# Altium PCB WX0.010.983PCB-4.2(1).PcbDoc (part 1 of 2) (continued)
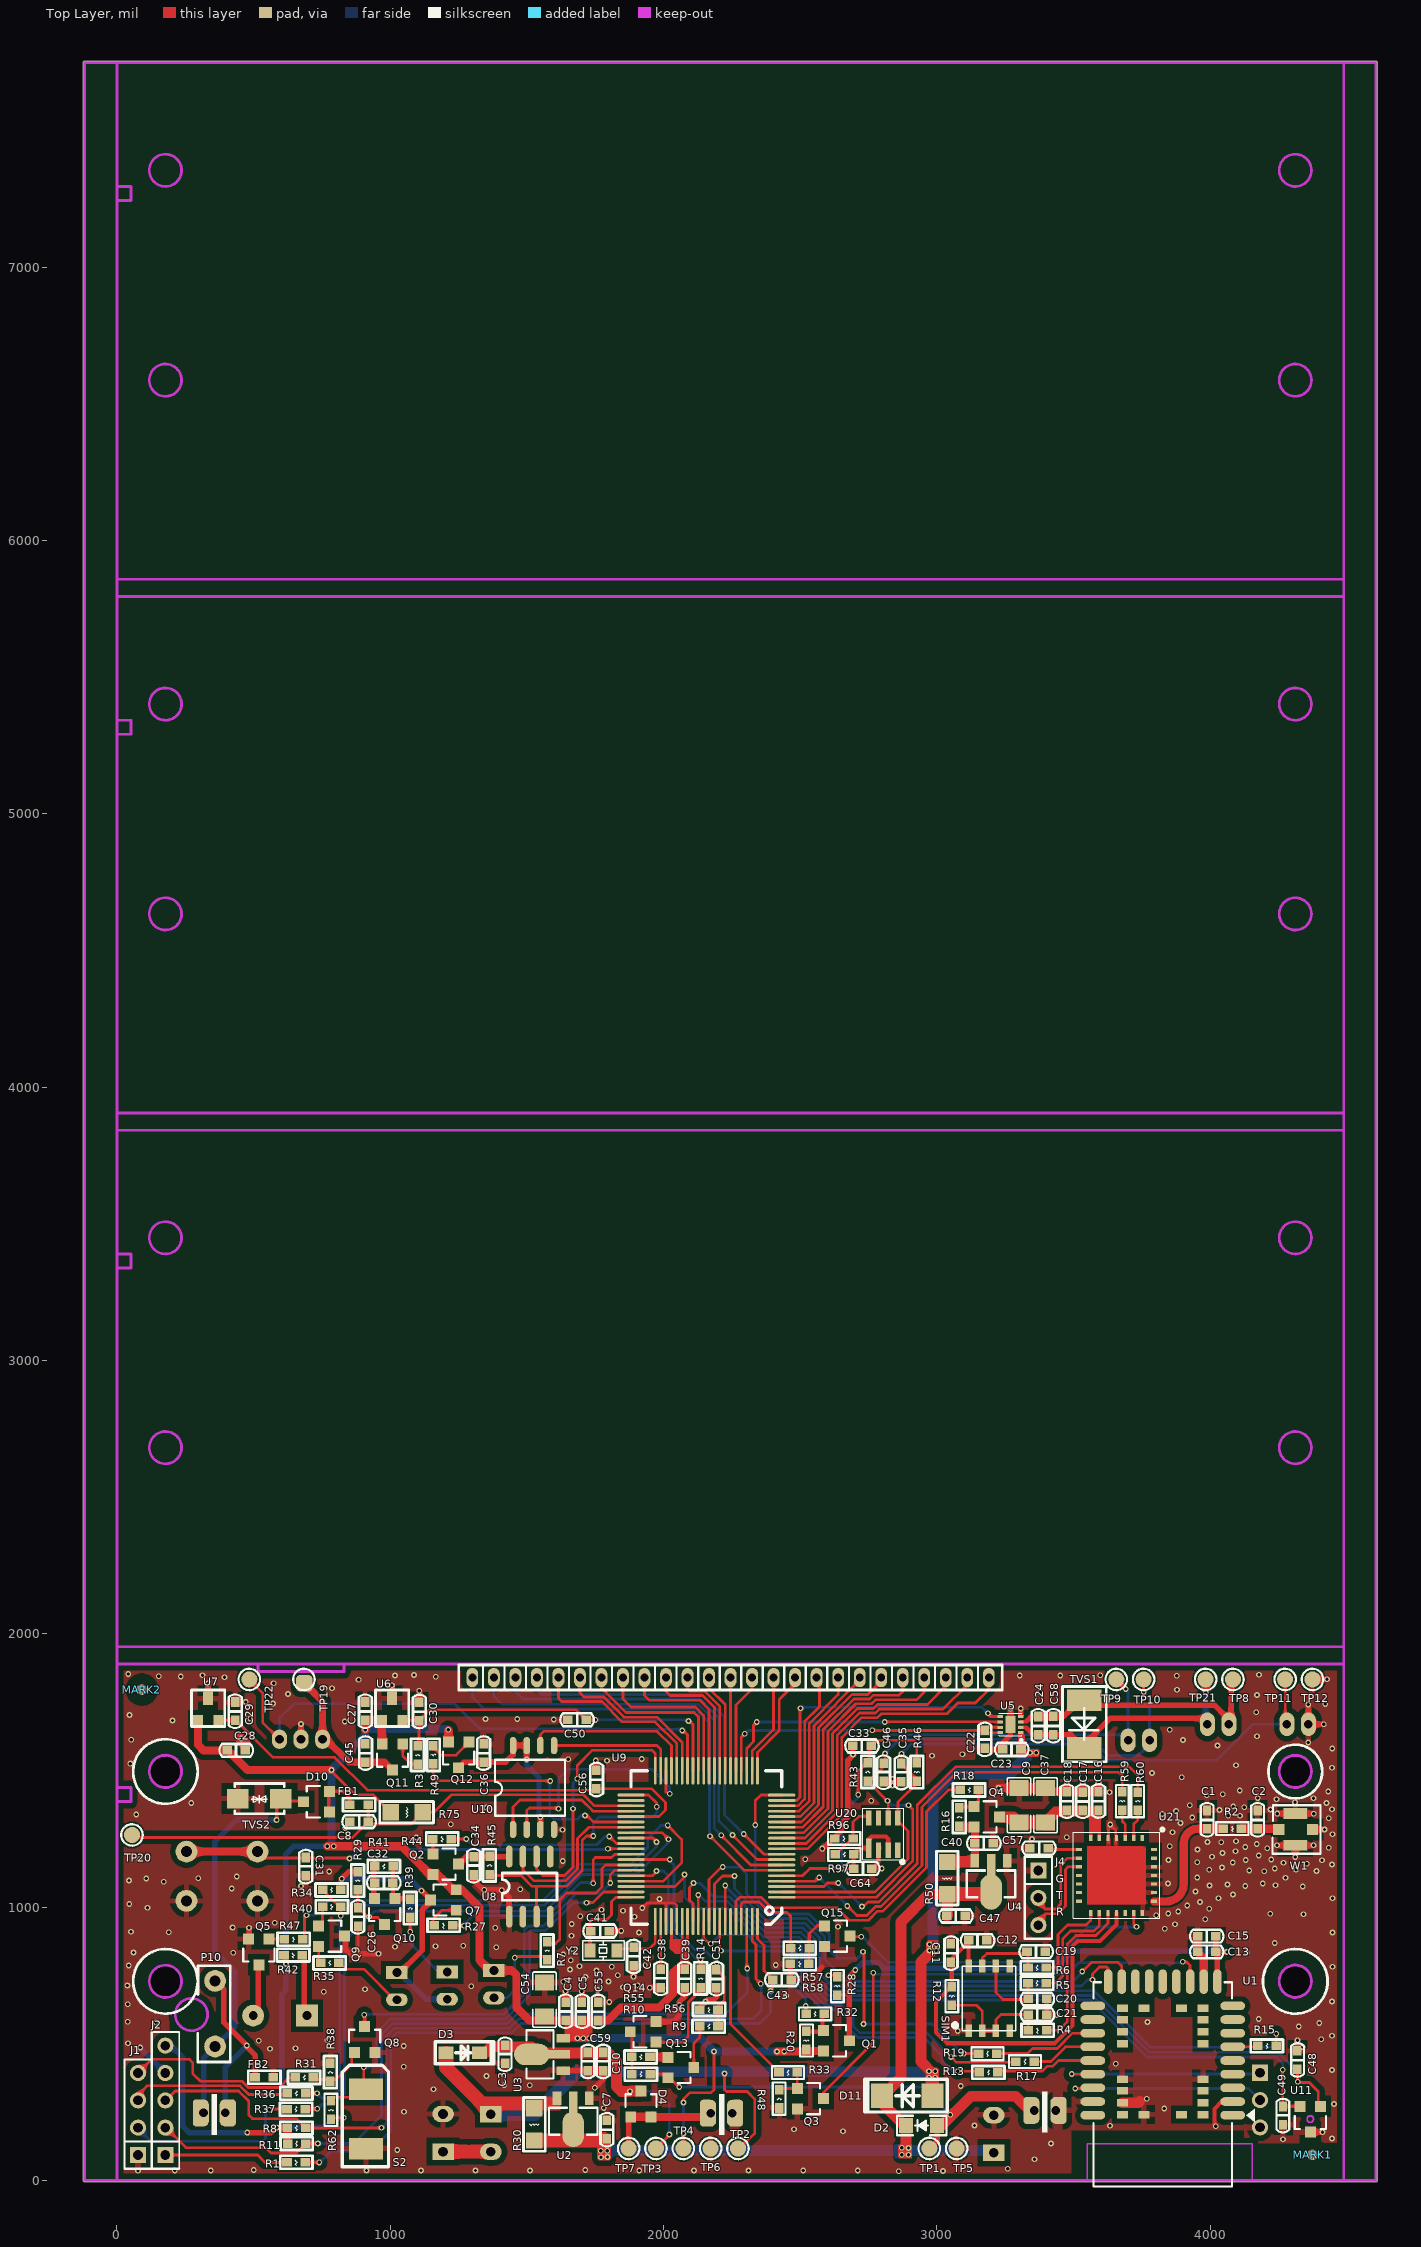
[diagram p0: Top Layer view]
## Components (designator, comment, footprint, x,y, rotation, side; value= is the part's Value field where it differs from the comment) (continued)
U20 "HP303B" LGA_8 2731,1175 r90 top
U21 "SNS521S" SNS521S 3657,1116 r270 top locked
W1 "天线" ANT-IPEX_1 4250,1284 r0 top
Y2 "32.768kD" SMD-3215_2P 1829,841 r180 top

## Footprints (in the part's own frame and the unit in brackets; to place one, negate y for a bottom-side part, rotate by r counter-clockwise, add the part's x,y. Pads: shape width x height; smd on the part's side, far side on the other; paste and mask are expansions set on the pad)
ANT-IPEX_1 [mm]
  rect 1.05x1 smd: 1(0,0)
  rect 2.2x1 smd: 2(1.55,-1.475) 2(1.55,1.475)
  rect 1x1 smd: 2(3.151,0)
  silkscreen extent -0.56,-2.26 3.9,2.26
"Bar Code1" [mil]
  silkscreen extent 0,0 965,256
CAP0603#1 [mil]
  rect 35x31 smd: 1(-0.49,0) 2(66.51,0)
  silkscreen extent -29,-24 94,23, body extent 1,-15 72,15, height 20
CAP0603#2 [mil]
  rect 35x31 smd: 1(-33.5,0) 2(33.5,0)
  silkscreen extent -61,-24 61,23, body extent -32,-15 39,15, height 20
CAPPC_350_800_1600R [mm]
  rect 1.524x2 hole 0.9: 1(-2.5,-1.905)
  oval 1.524x2 hole 0.9: 2(-6,-1.905)
  silkscreen extent -8.5,-1.02 0,16, body extent -8.22,-1.56 -0.22,15.94, height 7.99
CAPPC_500_800_2000R [mm]
  rect 1.524x2 hole 0.9: 1(-1.75,0)
  oval 1.524x2 hole 0.9: 2(1.75,0)
  silkscreen extent -4,-21.78 4,-0.76, body extent -3.97,-21.82 4.03,0.35, height 8
DO-214AA [mil]
  rect 80x125 smd: 1(5,0) 2(180,0)
  silkscreen extent -45,-80 230,80, body extent -13,-77 203,77, height 96
DO-214AC [mil]
  rect 80x90.55 smd: 1(-92.5,0) 2(92.5,0)
  silkscreen extent -146,-60 156,60, body extent -91,-53 90,53, height 94
GRM31CR60J107ME39L [mm]
  rect 1.485x1.728 smd: 1(0,0) 2(3.185,0)
  silkscreen extent -0.97,-1.09 4.16,1.09
HYT-0903 [mil]
  rect 80x80 hole 32: 1(0,0)
  round 80 hole 32: 2(196.85,0)
  silkscreen extent -79,-177 275,177, body extent -78,-176 276,176, height 217
IND0603 [mil]
  rect 35x31 smd: 1(0,0) 2(67,0)
  silkscreen extent -26,-24 92,23, body extent 0,-15 71,15, height 12
IR_254_532_300 [mm]
  rect 2x1.2 hole 0.813: 1(0,0)
  oval 2x1.2 hole 0.813: 2(0,-2.54)
  silkscreen extent -2.16,-2.54 2.16,0.91, body extent -1.65,-2.91 1.64,0.39, height 5.51
L-NLEEB21-G5BP4 [mm]
  oval 2.3x0.8 smd mask+0.051: 1(-12.95,12.36) 2(-12.95,11.09) 3(-12.95,9.82) 4(-12.95,8.55) 5(-12.95,7.28) 6(-12.95,6.01) 7(-12.95,4.74) 8(-12.95,3.47) 9(-12.95,2.2) 19(0.05,2.2) 20(0.05,3.47) 21(0.05,4.74) 22(0.05,6.01) 23(0.05,7.28) 24(0.05,8.55) 25(0.05,9.82) 26(0.05,11.09) 27(0.05,12.36)
  oval 1.5x0.8 on Mech1 mask+0.051: 1(-12.55,12.36) 2(-12.55,11.09) 3(-12.55,9.82) 4(-12.55,8.55) 5(-12.55,7.28) 6(-12.55,6.01) 7(-12.55,4.74) 8(-12.55,3.47) 9(-12.55,2.2) 19(-0.35,2.2) 20(-0.35,3.47) 21(-0.35,4.74) 22(-0.35,6.01) 23(-0.35,7.28) 24(-0.35,8.55) 25(-0.35,9.82) 26(-0.35,11.09) 27(-0.35,12.36)
  rect 0.4x0.4 on Mech1 paste-2 mask+0.102: 1(-2.73,13.4) 2(-0.9,13.4)
  oval 0.8x1.5 on Mech1 mask+0.051: 10(-11.53,0.35) 11(-10.26,0.35) 12(-8.99,0.35) 13(-7.72,0.35) 14(-6.45,0.35) 15(-5.18,0.35) 16(-3.91,0.35) 17(-2.64,0.35) 18(-1.37,0.35)
  oval 0.8x2.3 smd mask+0.051: 10(-11.53,-0.05) 11(-10.26,-0.05) 12(-8.99,-0.05) 13(-7.72,-0.05) 14(-6.45,-0.05) 15(-5.18,-0.05) 16(-3.91,-0.05) 17(-2.64,-0.05) 18(-1.37,-0.05)
  rect 1x0.7 smd: 28(-2.7,5.7) 29(-2.7,9) 30(-2.7,10.1) 31(-2.7,11.2) 32(-2.7,12.3) 33(-4.7,12.3) 34(-8.2,12.3) 35(-10.2,12.3) 36(-10.2,11.2) 37(-10.2,10.1) 38(-10.2,9) 39(-10.2,5.7) 40(-10.2,4.6) 41(-10.2,3.5) 42(-10.2,2.4) 43(-8.2,2.4) 44(-4.7,2.4) 45(-2.7,2.4) 46(-2.7,3.5) 47(-2.7,4.6)
  silkscreen extent -14.99,0 0,19, body extent -12.9,0 0,19, height 3
LCD_GVH21861A-HPP [mm]
  oval 1.1x1.8 hole 0.732: 1(0,0) 2(-2,0) 3(-4,0) 4(-6,0) 5(-8,0) 6(-10,0) 7(-12,0) 8(-14,0) 9(-16,0) 10(-18,0) 11(-20,0) 12(-22,0) 13(-24,0) 14(-26,0) 15(-28,0) 16(-30,0) 17(-32,0) 18(-34,0) 19(-36,0) 20(-38,0) 21(-40,0) 22(-42,0) 23(-44,0) 24(-46,0) 25(-48,0)
  silkscreen extent -56.95,-23 9.95,1.17, body extent -57.15,-23.24 9.14,0, height 5.2
LED2_300 [mm]
  rect 2x1.2 hole 0.813: 1(0,0)
  oval 2x1.2 hole 0.813: 2(0,-2.54)
  silkscreen extent -2.16,-2.53 2.16,0.91, body extent -1.65,-2.91 1.64,0.39, height 5.51
LGA_8 [mm]
  rect 1.8x0.5 smd: 1(1.039,-0.504)
  rect 1.4x0.5 smd: 2(0.839,-1.404) 3(0.839,-2.304) 4(0.839,-3.204) 5(3.839,-3.204) 6(3.839,-2.304) 7(3.839,-1.404) 8(3.839,-0.504)
  silkscreen extent -0.4,-3.78 4.72,0.05
LQFP80 [mm]
  oval 0.254x2.54 smd: 1(0,0) 2(0.5,0) 3(1,0) 4(1.5,0) 5(2,0) 6(2.5,0) 7(3,0) 8(3.5,0) 9(4,0) 10(4.5,0) 11(5,0) 12(5.5,0) 13(6,0) 14(6.5,0) 15(7,0) 16(7.5,0) 17(8,0) 18(8.5,0) 19(9,0) 20(9.5,0) 41(9.5,14) 42(9,14) 43(8.5,14) 44(8,14) 45(7.5,14) 46(7,14) 47(6.5,14) 48(6,14) 49(5.5,14) 50(5,14) 51(4.5,14) 52(4,14) 53(3.5,14) 54(3,14) 55(2.5,14) 56(2,14) 57(1.5,14) 58(1,14) 59(0.5,14) 60(0,14)
  oval 2.54x0.254 smd: 21(11.75,2.25) 22(11.75,2.75) 23(11.75,3.25) 24(11.75,3.75) 25(11.75,4.25) 26(11.75,4.75) 27(11.75,5.25) 28(11.75,5.75) 29(11.75,6.25) 30(11.75,6.75) 31(11.75,7.25) 32(11.75,7.75) 33(11.75,8.25) 34(11.75,8.75) 35(11.75,9.25) 36(11.75,9.75) 37(11.75,10.25) 38(11.75,10.75) 39(11.75,11.25) 40(11.75,11.75) 61(-2.25,11.75) 62(-2.25,11.25) 63(-2.25,10.75) 64(-2.25,10.25) 65(-2.25,9.75) 66(-2.25,9.25) 67(-2.25,8.75) 68(-2.25,8.25) 69(-2.25,7.75) 70(-2.25,7.25) 71(-2.25,6.75) 72(-2.25,6.25) 73(-2.25,5.75) 74(-2.25,5.25) 75(-2.25,4.75) 76(-2.25,4.25) 77(-2.25,3.75) 78(-2.25,3.25) 79(-2.25,2.75) 80(-2.25,2.25)
  silkscreen extent -2.5,0 11.75,14
MARK [mm]
  round 1 smd: 0(0,0)
  round 1 smd far side: 1(0,0)
  Top Layer pour cut-out: -1.5,0 -1.386,-0.574 -1.061,-1.061 -0.574,-1.386 0,-1.5 0,-1.5 0.574,-1.386 1.061,-1.061 1.386,-0.574 1.5,0 1.5,0 1.386,0.574 1.061,1.061 0.574,1.386 0,1.5 0,1.5 -0.574,1.386 -1.061,1.061 -1.386,0.574 -1.5,0
  Bottom Layer pour cut-out: -1.5,0 -1.386,-0.574 -1.061,-1.061 -0.574,-1.386 0,-1.5 0,-1.5 0.574,-1.386 1.061,-1.061 1.386,-0.574 1.5,0 1.5,0 1.386,0.574 1.061,1.061 0.574,1.386 0,1.5 0,1.5 -0.574,1.386 -1.061,1.061 -1.386,0.574 -1.5,0
PH200_1*2R [mm]
  oval 1.4x2.2 hole 0.8: 1(-1,0) 2(1,0)
  silkscreen extent -3,-6 3,1.6, body extent -3.17,-6.22 3.17,1.78, height 5
PH200_1*2R_BAT [mm]
  rrect50% 1.2x2.5 all layers, no hole: 1(-1.397,0) 2(1.397,0)
  oval 1x2.5 hole 0.8: 1(-1,0) 2(1,0)
  silkscreen extent -3,-6 3,1.78, body extent -3.18,-6.22 3.18,1.78, height 5
PH200_1*3R [mm]
  oval 1.4x1.8 hole 0.8: 1(-4,0) 2(-2,0) 3(0,0)
  silkscreen extent -6,-6 2,1.6, body extent -5.99,-5.97 2.01,1.57, height 4
PIN254_1*3*WXHJ [mm]
  rect 1.5x1.5 hole 0.9: 1(0,0)
  round 1.5 hole 0.9: 2(2.54,0) 3(5.08,0)
  silkscreen extent -1.27,-1.27 6.35,1.27
PIN254_1*4*WXHJ [mm] "Connector; Header; 4 Position"
  rect 1.5x1.5 hole 0.9: 1(0,0)
  round 1.5 hole 0.9: 2(2.54,0) 3(5.08,0) 4(7.62,0)
  silkscreen extent -1.27,-1.27 8.89,1.27, body extent -1.3,-1.3 8.86,1.24, height 8.54
PIN254_1*5*WXHJ [mm]
  rect 1.5x1.5 hole 0.9: 1(0,0)
  round 1.5 hole 0.9: 2(2.54,0) 3(5.08,0) 4(7.62,0) 5(10.16,0)
  silkscreen extent -1.27,-1.27 11.43,1.27
RES0603 [mil]
  rect 35x31 smd: 1(0,0) 2(67,0)
  silkscreen extent -26,-24 92,23, body extent 0,-15 71,15, height 12
RES1206 [mil]
  rect 60x60 smd: 1(0,0) 2(118.11,0)
  silkscreen extent -39,-39 157,39, body extent -28,-29 150,29, height 20
S-PWSON-N8 [mm]
  rect 0.5x0.28 smd: 1(-0.95,0.75) 2(-0.95,0.25) 3(-0.95,-0.25) 4(-0.95,-0.75) 5(0.95,-0.75) 6(0.95,-0.25) 7(0.95,0.25) 8(0.95,0.75)
  rect 0.9x1.6 smd: 9(0,0)
  silkscreen extent -1.09,-1.05 1.04,1.52, body extent -0.98,-1 1.02,1, height 0.77
SIMIC [mm]
  rect 0.6x1.2 smd: 1(4.405,6) 2(3.135,6) 3(1.865,6) 4(0.595,6) 5(0.595,0) 6(1.865,0) 7(3.135,0) 8(4.405,0)
  silkscreen extent 0,0 5.73,6, body extent 0,0 4.95,5.97, height 0.6
SMAJ5.0CA [mm]
  rect 2x1.8 smd: 1(-2,0) 2(2,0)
  silkscreen extent -2.3,-1.4 2.3,1.4
SMD-3215_2P [mm]
  rect 1x1.3 smd: 1(0,0) 2(2.5,0)
  silkscreen extent -0.69,-0.91 3.19,0.91, body extent -0.3,-0.99 2.9,0.99, height 0.7
SNS521S [mm] "LGA28/Pitch0.8"
  rect 0.55x0.3 smd: 1(-3.475,2.4) 2(-3.475,1.6) 3(-3.475,0.8) 4(-3.475,0) 5(-3.475,-0.8) 6(-3.475,-1.6) 7(-3.475,-2.4) 15(3.475,-2.4) 16(3.475,-1.6) 17(3.475,-0.8) 18(3.475,0) 19(3.475,0.8) 20(3.475,1.6) 21(3.475,2.4)
  rect 0.3x0.55 smd: 8(-2.4,-3.475) 9(-1.6,-3.475) 10(-0.8,-3.475) 11(0,-3.475) 12(0.8,-3.475) 13(1.6,-3.475) 14(2.4,-3.475) 22(2.4,3.475) 23(1.6,3.475) 24(0.8,3.475) 25(0,3.475) 26(-0.8,3.475) 27(-1.6,3.475) 28(-2.4,3.475)
  Top Layer region: -2.7,-2.7 -2.7,2.5 -2.5,2.7 2.7,2.7 2.7,-2.7
  silkscreen extent -4.4,-4 4,4.41
SOD-123FL#1 [mm]
  rect 1.3x1.4 smd: 1(0.074,0) 2(2.974,0)
  silkscreen extent -0.78,-0.9 3.82,0.9, body extent -0.28,-0.83 3.32,0.82, height 0.95
SOD-123FL#2 [mm]
  rect 1.4x1.2 smd: 1(0,0) 2(3.1,0)
  silkscreen extent -1.02,-1.02 4.44,1.02, body extent -0.2,-0.81 3.4,0.84, height 0.95
SOP-8 [mil]
  oval 80x24 smd: 1(0,0) 2(0,-50) 3(0,-100) 4(0,-150) 5(220,-150) 6(220,-100) 7(220,-50) 8(220,0)
  silkscreen extent 60,-175 160,25, body extent -7,-171 229,21, height 67
SOP-8L-200MIL [mm]
  oval 1.6x0.61 smd: 1(0,0) 2(0,-1.27) 3(0,-2.54) 4(0,-3.81) 5(7.8,-3.81) 6(7.8,-2.54) 7(7.8,-1.27) 8(7.8,0)
  silkscreen extent 1.27,-4.83 6.48,1.68, body extent 0.89,-4.35 6.89,0.55, height 1.7
SOT-23#1 [mil]
  rect 40x40 smd: 1(-37.4,-47.24) 2(37.4,-47.24) 3(0,47.24)
  silkscreen extent -57,-12 57,35, body extent -57,-55 57,55, height 47
SOT-23#2 [mil]
  rect 36x36 smd: 1(-37,-35) 2(38,-35)
  rect 36x50 smd: 3(0,45)
  silkscreen extent -60,-59 62,75, body extent -44,-35 44,45, height 39
SOT-89 [mm]
  rect 0.8x1.27 smd: 1(-1.5,-0.9) 3(1.5,-0.9)
  oval 2x3.3 smd: 2(0,2)
  rect 0.8x2.54 smd: 2(0,-0.265)
  silkscreen extent -2.25,0 2.25,2.5, body extent -2.25,-1.02 2.25,2.92, height 1.4
SWS_2_520_300 [mm]
  rect 2x3.2 smd: 1(0,0) 2(-5.5,0)
  silkscreen extent -7.2,-2.08 2.25,2.2
SWT_4_600_600 [mil]
  round 80 hole 40: 1(-130,-90) 1(130,-90) 2(-130,90) 2(130,90)
  silkscreen extent -180,-140 180,140, body extent -130,-90 130,90, height 157
TEST-PAD#1 [mm]
  round 1.5 smd: 1(0,0)
  silkscreen extent -1,-1 1,1
TEST-PAD#2 [mm]
  rrect50% 1.524x1.524 smd: 1(-0.356,-0.025)
  silkscreen extent -1,-1 1,1
WXHJ_Connect_01 [mil]
  round 80 hole 40: 1(0,-240) 2(0,0)
  Keep-Out Layer circle w10: c86.51,-116.99 r59.05
  silkscreen extent -55,-295 64,57

## Part data
*: library part "AD_WXHJ_Bar Code_02", "条形码 ,填充，无需焊接器件"
B1: library part 1010602-0007, "直插,直径9mm,高5.5mm,5 V,2 V,30 mA,兴化市华宇电子有限公司,HYT-0903"
C1 C2: library part 101020103-0005
C3 C4 C13: library part 101020103-0026, "106pF,10 V,±10%,0603,村田,GRM188R61A106KE47D"
C5 C7 C8 C10 C11 C16 C22 C23 C24 C31 C33 C34 C35 C36 C38 C39 C40 C47 C58 C59 C64: library part 101020103-0021, "104pF,50 V,±10%,0603,国巨,CC0603KRX7R9BB104"
C6 C44: library part 1010202-0015, "1F,2.75 V,-20%~+20%,8mm*16mm,红宝石,2.7 DMC 1 M MY4 8X16"
C9 C37: library part 101020101-0005
C12 C17 C19 C20 C21 C43 C46 C50 C56: library part 101020103-0027, "33pF,50 V,±10%,0603,国巨,CC0603KRNPO9BN33"
C14: library part 1010203-0029, "1000UF,16V,±20%,贴片10*10.2MM,深圳市三炎科电子科技有限公司,16V1000UF"
C15 C27 C28 C45 C48 C57: library part 101020103-0003, "105pF,16 V,±10%,0603,国巨,CC0603KRX7R7BB105"
C18 C32 C51: library part 101020103-0014, "10pF,50 V,±5%,0603,X7R,国巨,CC0603JRNPO9BN100"
C26: library part 101020103-0010, "101pf,50 V,±5%,0603,国巨,CC0603JRNP09BN101"
C29 C30 C49: library part 101020103-0022, "102pF,50 V,±10%,0603,国巨,CC0603KRX7R9BB102"
C41 C42: library part 101020103-0005, "12P,50 V,±5%,0603,国巨,CC0603JRNPO9BN12"
C54: library part 101020101-0005, "100u,16 V,±10%,1206,国巨,CC1206KRNPO7BN106P"
C55: library part 101020103-0009, "22pF,50 V,±5%,0603,国巨,CC0603JRNPO9BN22"
D2: library part 101040101-0048, "DS36W,SOD123-FL,3 A,42 V,60 V,浙江领晨科技有限公司,DS36W"
D3: library part 101040101-0048, "DS12W,SOD-123FL,1 A,0.55 V,20 V,领晨科技,DS12W"
D4 D10: library part 101040101-0038, "BAT54CLT1，SOT23-3,SOT23-3,0.2 A,0.8 V,30 V,安森美,BAT54CLT1"
D5: library part 101040102-0010, "DIP-2,φ3,插件,红光,上海品观电子有限公司/可得,AT203"
D6: library part 101040102-0011, "DIP-2,φ3,插件,红光,上海品观电子有限公司/可得,AT403-PD-01"
D7: library part 101040102-0001, "圆形插件,3mm 圆形,插件,红光,湖北匡通电子有限公司,3BB4HC"
D11: library part 101040101-0009, "SS12,DO-214AC,1 A,0.55 V,20 V,昶鑫,SS12"
FB1 FB2: library part 109010101-0003, "chilisin(奇力新),0603,30Ω ±25% @100MHz,150 V,125 ℃,PBY160808T-300Y-N,-55 ℃,不含铅,,,圆盘,30Ω ±25% @100MHz"
J1: library part AD_WXHJ_PinHeader_01, "1*4 ，Φ1.0 ，2.54mm，直脚,无需焊接器件"
J2: library part AD_WXHJ_PinHeader_02, "1*5 ，Φ1.0 ，2.54mm，直脚,无需焊接器件"
J4: "Connector"
LCD1: library part 1010801-0028, "GVH21861A-HPP/GVH20913A－HPP-WG,65*23mm,针脚,段码,21,液晶,全透,60 ℃,-20 ℃,金视界/合肥精显,GVH21861A-HPP/GVH20913A－HPP-WG"
MARK1 MARK2: library part AD_WXHJ_MARK_01, "MARK点"
P1 P2 P3 P5 P6 P7: library part 1010902-0105, "2.0-2AW,直插弯座，2PIN，脚间距2mm，带防翘起,公头,单排,2.0-2AW;直插弯座，2PIN,脚间距2mm，带防翘起"
P9: library part 1010902-0104, "2.0-3AW,3PIN，2mm脚间距,公头,单排,2.0-3AW；3PIN，脚间距2mm直插弯座带防翘起"
P10: library part AD_WXHJ_Connect_01, "电源连接线"
Q1 Q4: library part 101040201-0013, "UT3401ZG,P-MOS,SOT-23,UTC,UT3401ZG"
Q2 Q7 Q9 Q11 Q12 Q13: library part 101040201-0001, "9012,PNP,SOT-23,JCET;长电,S9012"
Q3 Q5 Q8 Q10 Q14 Q15: library part 101040201-0002, "9013,NPN,SOT-23,长电,S9013"
R1 R35: library part 101010103-0022, "100R,±5%,1/10W,0603,国巨,RC0603JR-07100RL"
R2: library part 101010103-0001, "国巨,±5%,0603,,155 ℃,-55 ℃,RC0603J2-070RL,无铅,200 ppm/℃,1/10W,,0R"
R3 R14 R27 R31 R33 R40 R47 R49 R57: library part 101010103-0006, "国巨,±5%,0603,,155 ℃,-55 ℃,RC0603JR-073KL,无铅,100 ppm/℃,1/10W,,3K"
R4 R5 R6 R12: library part 101010103-0009, "国巨,±5%,0603,,155 ℃,-55 ℃,RC0603JR-0722RL,无铅,200 ppm/℃,1/10W,,22欧"
R7 R13 R15 R17 R19 R28 R36 R37 R38 R60: library part 101010103-0008, "1K,±5%,1/10W,0603,国巨,RC0603JR-071KL"
R8 R10 R11 R44 R55: library part 101010103-0003, "国巨,±5%,0603,,155 ℃,-55 ℃,RC0603JR-0710KL,无铅,200 ppm/℃,1/10W,,10K"
R9: library part 101010103-0066, "330K,±5%,1/10W,0603,国巨,RC0603JR-07330KL"
R16: library part 101010103-0025, "国巨,±5%,0603,,155 ℃,-55 ℃,RC0603JR-072ML,含铅,100 ppm/℃,1/10W,,2M"
R18: library part 101010103-0034, "200K,±5%,1/10W,0603,国巨,RC0603JR-07200KL"
R20 R32: library part 101010103-0003, "10K±5%,1/10W,0603"
R29 R34 R39 R45 R48 R58: library part 101010103-0004, "国巨,±5%,0603,,155 ℃,-55 ℃,RC0603JR-0720KL,无铅,200 ppm/℃,1/10W,,20K"
R30 R50 R75: library part 101010101-0013, "0Ω,±5%,1/4W,1206,国巨,RC1206JR-070RL"
R41: library part 101010103-0012, "47K,±5%,1/10W,0603,国巨,RC0603JR-0747KL"
R42: library part 101010103-0037, "国巨,±5%,0603,,155 ℃,-55 ℃,RC0603JR-0751RL,无铅,100 ppm/℃,1/10W,,51欧"
R43 R46: library part 101010103-0015, "国巨,±5%,0603,,155 ℃,55 ℃,RC0603JR-075.1KL,无铅,200 ppm/℃,1/10W,,5.1k"
R56: library part 101010103-0044, "220K,±5%,1/10W,0603,国巨,RC0603JR-07220KL"
R59: library part 101010103-0042, "4.7K±5%,1/10W,0603"
R62 R96 R97: library part 101010103-0002, "国巨,±5%,0603,,155 ℃,-55 ℃,RC0603JR-071ML,无铅,200 ppm/℃,1/10W,,1M"
S1: library part 1011001-0027, "TS-1102,机械轻触,6*6*4.3直插,6*6*4.3直插,乐清市羽欧电子"
S2: library part 1011001-0041, "CSX-SEN-645B,垂直45°开关转换,3*5.2mm,360°任意方位倾斜检测,深圳市成晟科技有限公司"
SIM1: library part AD_XN_SIMIC_01, "SIMIC虚拟器件"
TP1 TP2 TP3 TP4 TP5 TP6 TP7 TP8 TP9 TP10 TP11 TP12 TP19 TP20 TP21 TP22: library part AD_WXHJ_TEST-PAD_01, "单面焊盘测试点"
TVS1: library part 101040101-0024, "SMBJ6.0CA,DO-214AA,10.3 V,6.0 V,600 W,58.3 A,800 uA,上海君耀电子有限公司,SMBJ6.0CA"
TVS2: library part SMAJ5.0CA_C693487
U1: library part L-NLEEB21-G5BP4
U2: library part 1010503-0013, "S-1206B50-U3,S-1206B50-U3,SOT89-3,6.5 V,1.7 V,0.2 V,5 V,250mA@VIN≧VOUT(S)＋1.0 V﹐1.5 V≦VOUT(S),1 uA,精工电子"
U3: library part 1010503-0002, "S-1206B33-U3T1G,S-1206B33-U3T1G,SOT89-3,6.5 V,1.7 V,0.15 V,3.3 V,250mA@VIN≧VOUT(S)＋1.0 V﹐1.5 V≦VOUT(S),1 uA,精工电子"
U4: library part 1010503-0031, "CE6232A36P,CE6232A36P,SOT89-3,8 V,1.8 V,0.11 V,3.6 V,600mA,0.8 uA,南京芯力微电子有限公司"
U5: library part 101050101-0060, "DRV8837DSGR,S-PWSON-N8,TI,DRV8837DSGR"
U6 U7 U11: library part 1010504-0002, "S-5712ACDL1,SOT23-3,3.5 V,1.6 V,2 uA,精工电子,S-5712ACDL1"
U8: library part AD_XN_ESAM_01, "ESAM虚拟器件"
U10: library part 101050101-0165, "GD25VQ80CSIG,SOP8 208mil,北京兆易创新科技股份有限公司,GD25VQ80CSIG"
U21: library part OUT
W1: library part 1010902-0145, "UB06000058A,3*3.1*1.25mm,公头,单排,IPEX一代板端"
Y2: library part 1010601-0009

## Via types
v1: diameter 21, hole 12, Top Layer to Bottom Layer, tented both sides, 443 vias

## Nets (pads, with @x,y where several pads share a name; then routed paths per layer and width w, separated by ;. In a path a pad name is that pad's centre, name@x,y a point inside that pad or via, vN(x,y) a via of type N, cw(c..) or ccw(c..) an arc to the next point about the centre after c; other vN are vias at no path point)
3.3V: C4.1 C5.1 C27.1 C28.1 C39.2 C54.1 C55.1 D7.1 J2.5 Q1.2 Q2.2 Q7.2 Q11.2 Q12.2 R8.1 R11.1 R20.1 R42.2 R62.2 R75.2 TP4.1 U3.3 U6.1 U7.1 U9.64 U9.66 U9.67 | length 7723.4
  Top Layer w10: v1@782.98,1498.98 870.96,1411 936.89,1411 R75.2@1000.89,1347 ; R62.2@783,224 788,229 v1(830,229) ; U9.64@2028.46,947.42 2028.46,866.54 2036,859 ; 2067.83,863.17 U9.66@2067.83,947.42 ; TP4.1@2072,117 v1@2072,171 ; v1(2073,285) 2073,298 2096,321 2174,321 2184,331 v1(2184,472) ; 2087.51,864.51 U9.67@2087.51,947.42
  Top Layer w20: v1(477,175) 563,175 580,192 R8.1@623,192 623,136 R11.1@624,135 ; R42.2@611,824 618,817 v1(618,792)
  Top Layer w30: U7.1@296,1684 296,1594 317,1573 407,1573 430.5,1549.5 430.5,1549.39 477.89,1502 v1@781.5,1502 ; v1(769,1223) v1(793,1223) 1041,1223 1144.4,1119.6 Q2.2@1155.76,1119.6 ; v1(908,1649) C27.1@908,1683.51 966.49,1683.51 U6.1@969,1681 ; U6.1@969,1684 U6.1@969,1681 ; U6.1@969.51,1680.49 U6.1@969,1681 ; Q11.2@970.6,1596.24 969,1597.84 U6.1@969,1681 ; Q2.2@1174,1117 1227.6,1063.4 Q7.2@1241.24,1063.4 1261.6,1063.4 1326,999 1326,806 1364,768 D7.1@1379,768 1446,768 1462,752 1462,632 1508.49,585.51 C4.1@1641,585.51 ; Q12.2@1212.6,1604.24 v1@1212.6,1648.4 ; C5.1@1701,585.51 1796.51,585.51 1844,633 1984,633 2034,683 2034,760 2046.51,772.51 C39.2@2077,772.51 2077,854 2067.83,863.17 ; v1(2414.67,472) v1(2441,472) 2515,472 R20.1@2522,479 2527.4,473.6 Q1.2@2584.76,473.6
  Bottom Layer w10: v1(2073,172) 2073,280 2078,285 v1(2073,285)
  Bottom Layer w20: J2.5@177,493 198,493 241,450 241,198 264,175 v1(477,175) v1@478,175 ; v1(585,194) 602,194 ; v1@786,1229 v1@786,1223 ; v1@788,1221 v1@786,1223 ; v1@788,1223 v1@786,1223 ; v1(830,229) 794,229 759,194 602,194 ; 602,194 602,679 618,695 v1(618,792) 618,1193.67 647.33,1223 v1(769,1223) v1@786,1223
  Bottom Layer w30: v1@786,1229 785,1230 v1(785,1502) 785,1504 907,1626 907,1652 1209,1652 v1(1212,1649) ; v1(1728,520) 2137,520 v1@2185,472 ; v1(2184,472) v1@2185,472 ; v1(2414.67,472) v1@2185,472
  other v1: 1685,520 1706,520
3.6V: C3.1 C10.1 C59.1 D3.2 D4.3 TP3.1 U3.2 | length 1057.4
  Top Layer w10: TP3.1@1972,117 2021,166 v1(2021,168)
  Top Layer w40: D3.2@1335.05,466 1346,466 1369,489 1516.14,489 1539.14,466 1796,466 1827,435 1827,344 1845,326 v1(1877,326) ; v1@1878.24,327.24 D4.3@1917,327.24
  Bottom Layer w10: v1(1877,326) 1975,326 2021,280 v1(2021,168)
5V: C6.1 C23.2 D3.1 D11.1 R30.2 TP2.1 U2.3 U5.1 | length 3806.2
  Top Layer w10: D3.1@1204,467 D3.1@1204,475 ; v1(2223,391) 2223,332 2230,325 2306,325 2333,298 2333,171 2279,117 TP2.1@2272,117
  Top Layer w40: U2.3@1599,277 1601,275 ; 2982,393 2983,392 2984,392 2941,435 2941,799 v1@2983,841
  Top Layer w50: D3.1@1204,467 1204,413 1368,249 C6.1@1368,242.57
  Bottom Layer w40: 1683.5,397.5 2961,397.5 2971,387.5 ; 2986,867 2986,1412 3061,1487 3267,1487 3330,1550
  Bottom Layer w50: C6.1@1368,242.57 1528.57,242.57 1683.5,397.5 ; 2971,387.5 2976.5,387.5
  other v1: 2971,376 2994,376 2971,399 2994,399 2973,841 2997,841 2973,864 2997,864 3340,1565 3363,1565
119: C8.1 FB1.1 R75.1 TP20.1 U9.43 | length 1984.2
  Top Layer w10: TP20.1@55,1264 64,1255 862,1255 C8.1@919,1312 ; R75.1@1119,1347 1160,1347 1224,1411 1707,1411 1747.35,1370.65 U9.43@1880.82,1370.65
  Top Layer w12: FB1.1@919,1374 C8.1@919,1312 919,1304 1076,1304 R75.1@1119,1347
521S-RXD: R59.1 U21.3 | length 102.4
  Top Layer w10: R59.1@3678,1354.87 3678,1314 3688.5,1303.5 U21.3@3688.5,1256.81
521S-TXD: R60.2 U21.2 | length 103.3
  Top Layer w10: U21.2@3719.99,1256.81 3719.99,1303.99 3735,1319 R60.2@3735,1353.87
ADC_CTL: R14.1 U9.56 | length 548.5
  Top Layer w10: U9.56@1880.82,1114.74 1958.74,1114.74 v1@1973,1129 ; v1(2135,809) 2137,807 R14.1@2137,772
  Bottom Layer w10: v1(1974,1132) 2000,1132 2017,1115 2017,914 2122,809 v1(2135,809)
B: C24.2 C58.2 P3.2 TP8.1 TVS1.1 U5.3 | length 923.5
  Top Layer w10: TVS1.1@3490,1765 TVS1.1@3503,1765 ; P3.2@4067,1688 4067,1692 4068,1693 P3.2@4076,1701 ; TP8.1@4076,1826 TP8.1@4083,1833
  Top Layer w20: C24.2@3370,1697.35 C58.2@3426,1697.35 ; C58.2@3426,1697.51 3463.51,1697.51 3504.5,1738.5 3505,1738 4017,1738 P3.2@4067,1688 ; P3.2@4068,1669 P3.2@4068,1693 ; P3.2@4076,1701 TP8.1@4076,1826
BUSY: R13.1 U9.70 | length 1404.6
  Top Layer w10: U9.70@2146.57,947.42 2146.57,887.43 2171,863 v1@2172,863 ; v1(3076,399) 3152,399 R13.1@3155,396
  Bottom Layer w10: v1(2172,866) 2174,866 2207,899 2307.83,899 2350.83,856 2476,856 2487,845 2487,719.83 2581.83,625 2642.96,625 2677,590.96 2677,556.7 2710.7,523 2952,523 3019,456 3019,438.75 3057.75,400 v1@3077,400
BUZZ: R47.1 U9.57 | length 1940.1
  Top Layer w10: R47.1@686,881 686,963 v1(693,970) ; U9.57@1880.82,1095.06 1999.06,1095.06 2066,1162 2066,1248 v1(2015,1299)
  Bottom Layer w10: v1(693,970) 721,970 775,1024 1557.96,1024 1690.96,1157 1880,1157 1942,1219 1942,1251.25 1989.75,1299 v1(2015,1299)
CAP_CHK: C49.1 U9.69 U11.2 | length 2789.1
  Top Layer w10: U9.69@2126.88,947.42 2127,947.54 v1(2127,1044) ; v1(4265,405) 4265,275.49 4263,273.49 C49.1@4266,270.49 4266.75,271.24 U11.2@4328.6,271.24
  Bottom Layer w10: v1(2127,1044) 2130,1044 2153,1021 2233.92,1021 2364.92,890 2496,890 2521,865 2521,733.92 2594.92,660 3561,660 3769,452 4241,452 4265,428 v1(4265,405)
CAP_CTL: C48.1 U9.68 U11.1 | length 2973.5
  Top Layer w10: U9.68@2107.2,947.42 2107.2,1012.8 2095,1025 2095,1072 v1@2109.5,1086.5 ; C48.1@4319,407.51 4319,362 v1(4320,361) 4320,367 4329,358 4362,358 4395,325 4395,279.65 U11.1@4403.4,271.24
  Bottom Layer w10: v1(2109,1088) 2109,1083.33 2111,1081.33 2111,1087 2134,1087 2183,1038 2240.96,1038 2371.96,907 2503.04,907 2538,872.04 2538,740.96 2601.96,677 3568.04,677 3776.04,469 4248.04,469 4320,397.04 v1(4320,361)
CLOSE: U5.5 U9.19 | length 1148.3
  Top Layer w10: U9.19@2432,1390.33 2486.96,1390.33 2499,1402.37 2499,1726.21 v1(2500.79,1728) ; v1(3187,1708.84) 3198.47,1697.37 ; 3194.47,1697.37 3198.47,1697.37 ; U5.5@3231.6,1697.37 3198.47,1697.37
  Bottom Layer w10: v1(2500.79,1728) 2503.79,1731 3164.84,1731 v1(3187,1708.84)
COM0: LCD1.1 U9.6 | length 1708.4
  Top Layer w10: v1(2170,1259) 2171.87,1259 2296.44,1134.43 U9.6@2432,1134.43
  Bottom Layer w10: LCD1.1@1300,1840 1300,1768 1343,1725 2117,1725 2168,1674 2168,1261 v1(2170,1259)
COM1: LCD1.2 U9.7 | length 1610.2
  Top Layer w10: v1(2211,1263) 2211,1261.87 2318.76,1154.11 U9.7@2432,1154.11
  Bottom Layer w10: LCD1.2@1378.74,1840 1378.74,1771.26 1408,1742 2127.92,1742 2185,1684.92 2185,1289 v1(2211,1263)
COM2: LCD1.3 U9.8 | length 1502
  Top Layer w10: v1(2252,1264) 2342.2,1173.8 U9.8@2432,1173.8
  Bottom Layer w10: LCD1.3@1457.48,1840 1457.48,1788.52 1485,1761 2132.96,1761 2202,1691.96 2202,1315.13 2252,1265.13 v1(2252,1264)
COM3: LCD1.4 U9.9 | length 1400.5
  Top Layer w10: v1(2293,1267.27) 2366.79,1193.48 U9.9@2432,1193.48
  Bottom Layer w10: LCD1.4@1536.22,1840 1536.22,1794.78 1553,1778 2140,1778 2223,1695 2223,1337.27 v1(2293,1267.27) v1@2293.87,1267.27
DOUT: R17.1 U9.58 | length 1855.8
  Top Layer w10: U9.58@1880.82,1075.37 2041.37,1075.37 2075,1109 v1@2075,1119 ; v1@3055,449 3072,432 3286,432 R17.1@3289,435
  Bottom Layer w10: v1(2076.5,1119.06) 2076.5,1037.5 2119,995 2235.88,995 2357.88,873 2488.96,873 2504,857.96 2504,726.88 2588.88,642 2650,642 2694,598 2694,563.75 2717.75,540 2963,540 v1(3051,452)
ESAM_CLK: U8.6 U9.40 | length 958.3
  Top Layer w10: U8.6@1535,1185 1535,1139 1558,1116 1637,1116 1668,1147 v1(1668,1360) v1@1666,1358 ; v1@1684,1471 1684,1518.13 1739.95,1574.09 1957.91,1574.09 1969.4,1562.6 U9.40@1969.4,1498.6
  Bottom Layer w10: v1(1668,1360) 1668,1454 v1(1684,1470)
ESAM_POW: R44.1 U9.50 | length 697.4
  Top Layer w10: R44.1@1223,1249 v1(1278,1249) v1@1286,1249 ; v1(1801,1258) 1802,1258 1827.15,1232.85 U9.50@1880.82,1232.85
  Bottom Layer w10: v1(1278,1249) 1279,1249 1300,1228 1755.25,1228 1785.25,1258 v1(1801,1258)
ESAM_RST: U8.7 U9.47 | length 607.7
  Top Layer w10: U8.7@1485,1185 1485,1136 1525,1096 1641.04,1096 1685,1139.96 1685,1251 1726,1292 1880.72,1292 U9.47@1880.82,1291.91
ESAM_SDA: R45.2 U8.3 U9.41 | length 1123.6
  Top Layer w10: R45.2@1363,1116 1479,1116 1519,1076 1537,1076 ; U8.3@1535,965 1535,1074 1537,1076 ; v1@1736,1260 1718.04,1260 1702,1243.96 1702,1132.92 1645.08,1076 1537,1076 ; U9.41@1838.34,1410 1944.87,1410 1975,1379.87 v1(1975,1367)
  Bottom Layer w10: v1(1742,1260) 1742,1308 1764,1330 1960,1330 1975.72,1345.72 1975.72,1366.28 v1(1975,1367)
FLASH_CLK: U9.37 U10.6 | length 647
  Top Layer w10: U10.6@1547,1582.09 U10.6@1547,1591.09 ; U10.6@1549,1591.09 1549,1631 1561,1643 1976,1643 2028.46,1590.54 U9.37@2028.46,1498.6
FLASH_CS: U9.44 U10.1 | length 541.6
  Top Layer w10: U10.1@1449,1284 1449,1366 1475,1392 1700.25,1392 1741.29,1350.96 U9.44@1880.82,1350.96
FLASH_CTL: R49.1 U9.46 | length 926.4
  Top Layer w10: R49.1@1157,1524 1157,1476 1171,1462 1584,1462 v1(1585,1461) ; v1(1712,1335) 1720,1335 1743.41,1311.59 U9.46@1880.82,1311.59
  Bottom Layer w10: v1(1585,1461) 1583,1459 1583,1338 1600,1321 1684,1321 1698,1335 v1(1712,1335)
FLASH_MISO: U9.38 U10.2 | length 848.3
  Top Layer w10: U10.2@1499,1284 1499,1353 1509,1363 v1@1612,1363 ; U9.38@2008.77,1498.6 2008.77,1420.23 2009,1420 2011,1420
  Bottom Layer w10: v1(1615,1360) 1615.5,1360.5 1615.5,1469.5 1650,1504 1957,1504 2022,1439 v1(2022,1415)
FLASH_MOSI: U9.39 U10.5 | length 461.9
  Top Layer w10: 1612,1591.09 1975.91,1591.09 1989.09,1577.91 U9.39@1989.09,1498.6
GD_PWR: C45.1 P9.3 Q11.3 TP19.1 | length 535.2
  Top Layer w25: TP19.1@685,1819 752,1752 P9.3@752,1614 765,1614 848.49,1530.51 C45.1@909,1530.51 979.25,1530.51 Q11.3@1008,1501.76